# Allegro board IMC-IO_A-IN_A1.brd (continued)
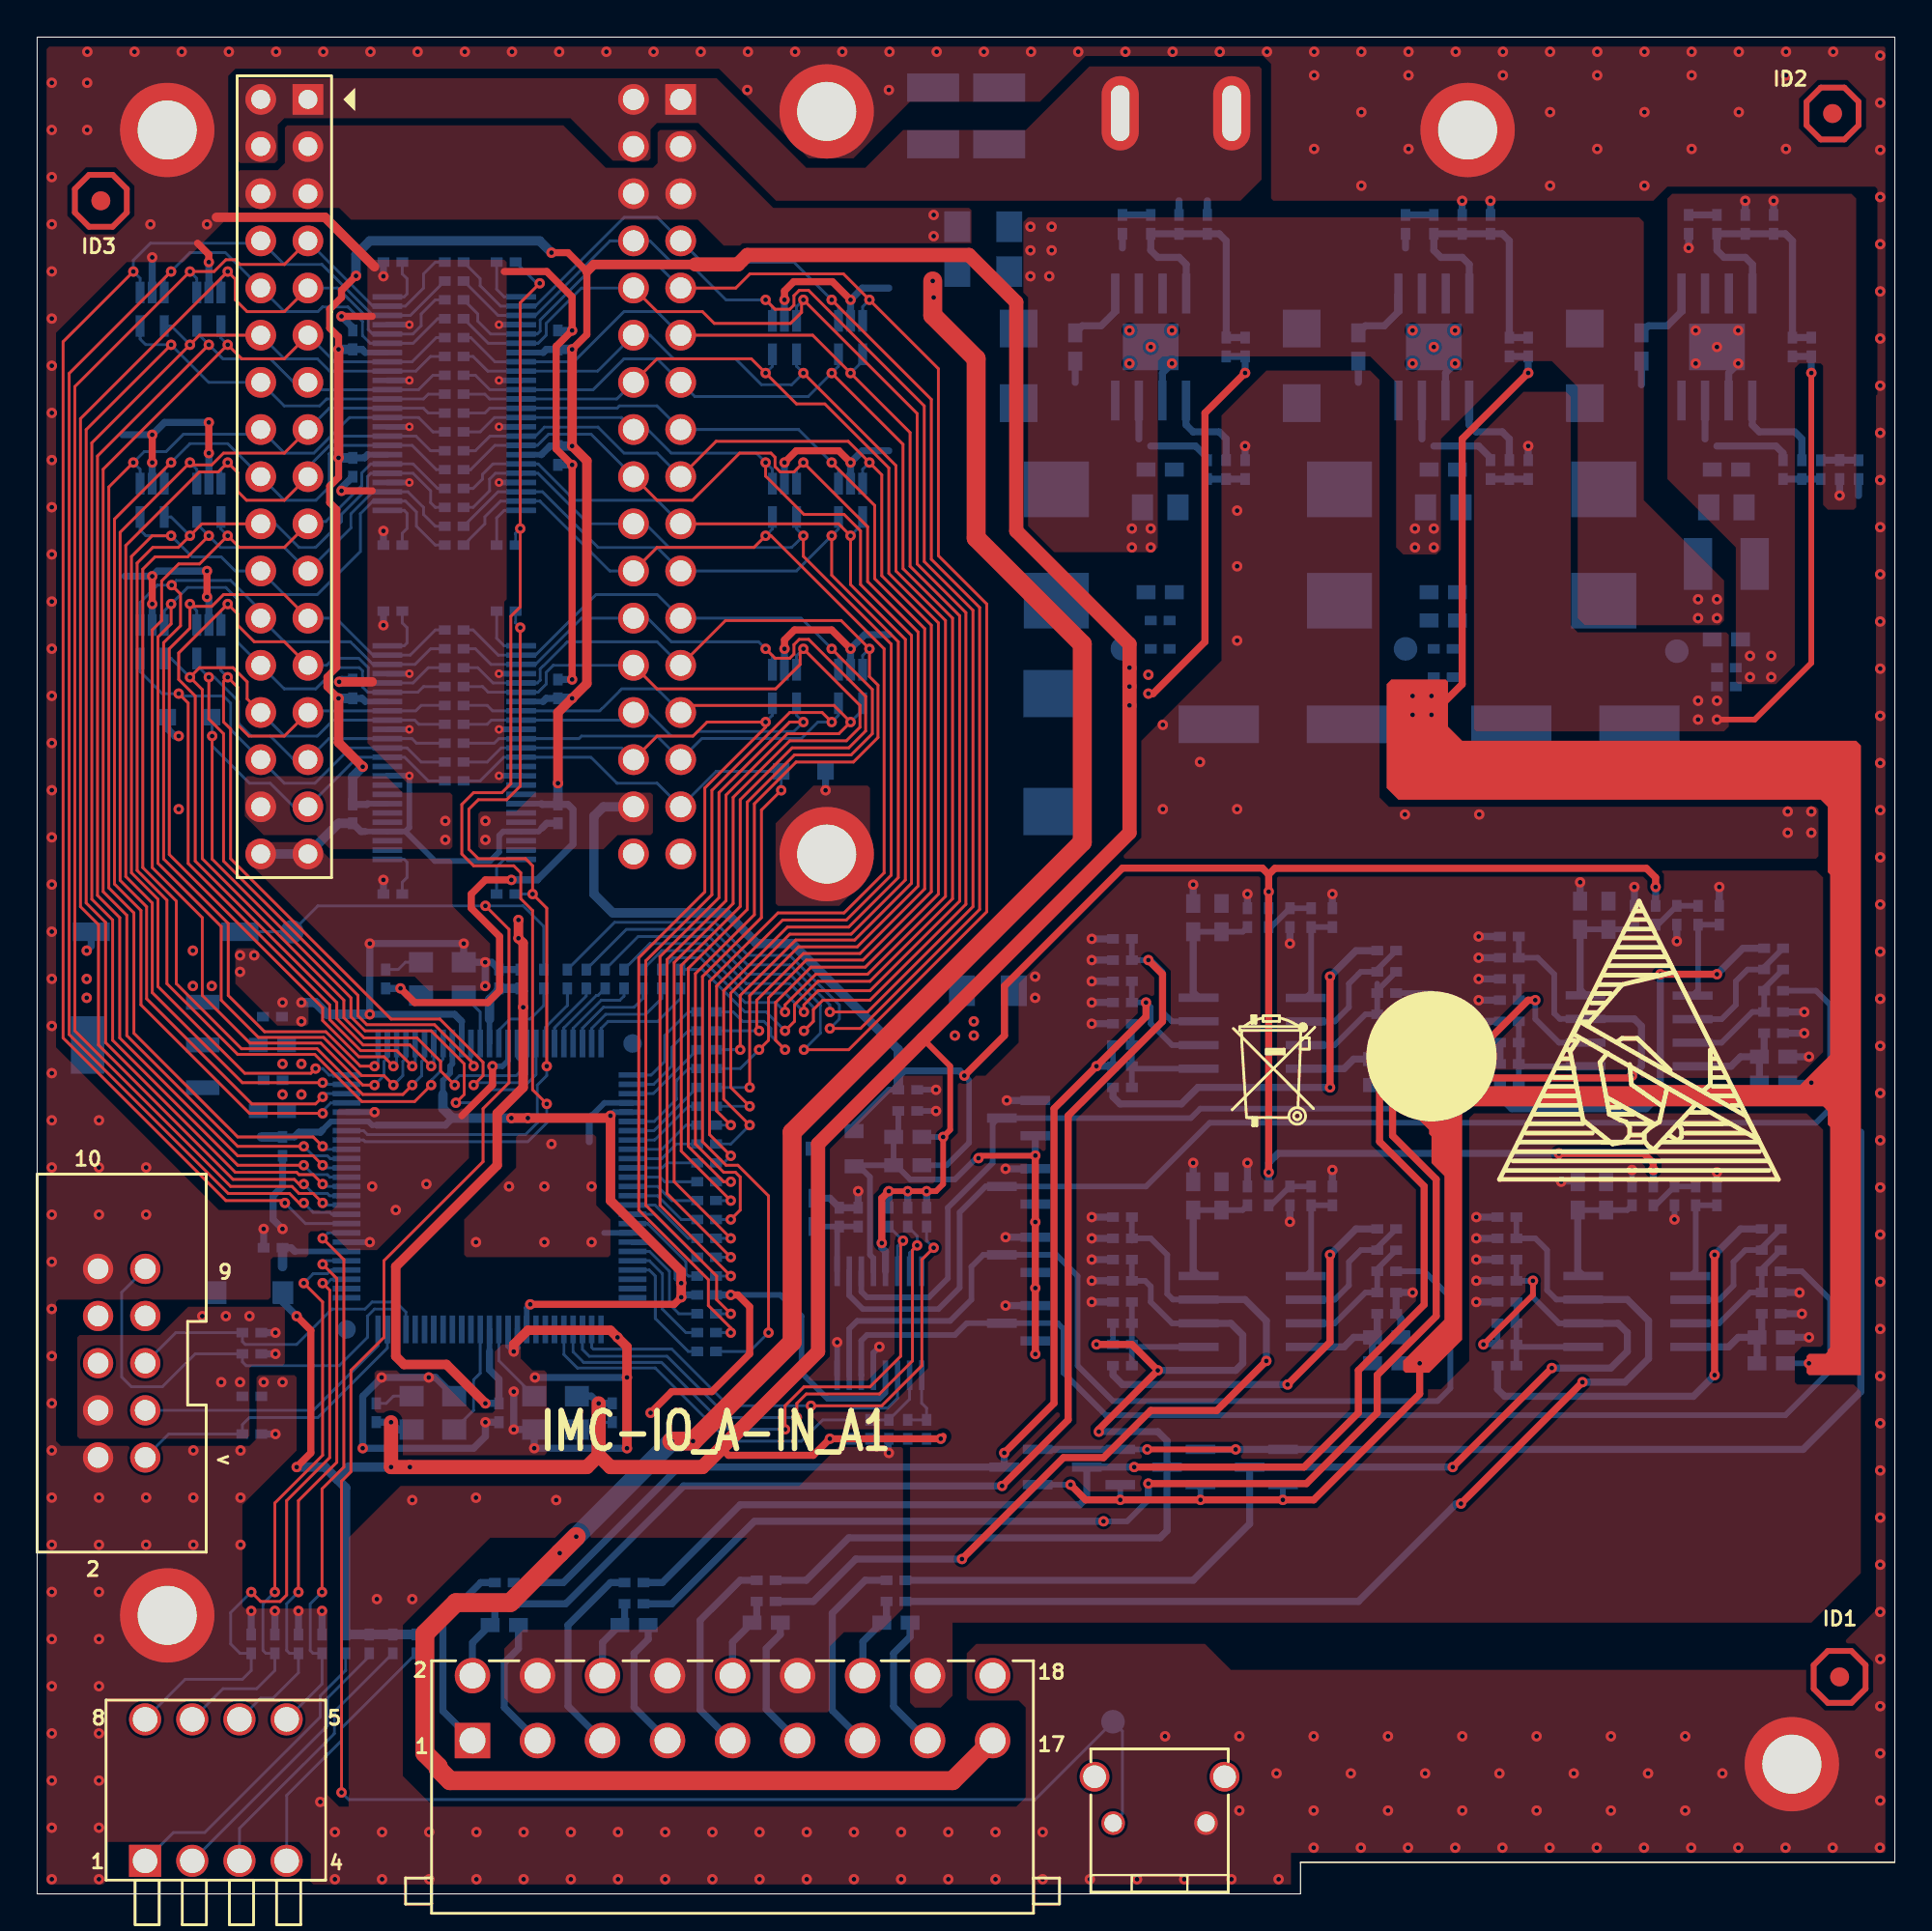
[diagram p0: board, top side]
## Routing (per net, layer and track width the routed paths; a pad name or vN(x,y) marks a point on that pad's centre or on a via; arc(x,y) is an arc through that point) (continued)
VDD_24V:
  vias: v1(48.26,90.42) v1(48.26,89.28)
VDD_24V_IO: length 134.2
  TOP w1.016: v1(48.21,86.87) 48.21,85.01 50.55,82.68 50.55,73.03 56.26,67.31 56.26,56.64 40.64,41.02 40.64,29.72 v1(35.31,24.38) v1(34.16,24.38) ; J2.17 49.27,6.1 22.23,6.1 21.59,6.73 21.59,6.86 20.87,7.58 20.87,14.01 22.54,15.68 25.46,15.68 v1(28.13,18.35) v1(29.02,19.24)
  BOTTOM w1.016: v1(28.13,18.35) v1(29.02,19.24) v1(34.16,24.38) v1(35.31,24.38)
  vias: v1(48.26,85.98)
VDD_24V_MAIN: length 17.2
  BOTTOM w0.381: R2.1 62.99,77.34 62.36,77.98 59.94,77.98 ; R160.1 78.23,77.34 77.6,77.98 75.18,77.98 ; R166.1 93.98,77.6 93.6,77.98 90.42,77.98 ; U1.7 59.3,78.36 ; U22.7 74.54,78.36 ; U24.7 89.78,78.36
  vias: v1(53.47,89.79) v1(53.47,88.52) v1(53.47,87.12) v1(54.48,87.12) v1(54.61,89.79) v1(54.61,88.52) v1(58.93,73.53) v1(58.93,72.52) v1(59.94,73.53) v1(59.94,72.52) v1(74.17,73.53) v1(74.17,72.52) v1(75.18,73.53) v1(75.18,72.52) v1(89.41,69.72) v1(89.41,68.71) v1(90.42,69.72) v1(90.42,68.71)
VDD_+15V: length 55
  TOP w0.381: v1(75.06,63.5) 76.71,65.15 76.71,78.36 v1(80.26,81.92) ; v1(74.42,28.57) 74.42,26.92 68.72,21.22 v1(67.06,21.22) v1(62.62,21.22) v1(58.3,21.22) 56.44,21.22 v1(55.63,22.04)
  BOTTOM w0.305: v1(74.68,43.05) 74.68,43.26 74.37,43.56 FB4.2 ; v1(58.3,21.22) D25.2 ; FB8.2 v1(74.42,28.57) ; v1(67.06,21.22) 67.06,22.03 D29.2 ; D27.2 v1(62.62,21.22) ; FB6.2 v1(95.5,43.69) ; D23.2 v1(55.63,22.04) ; FB10.2 v1(95.38,28.57)
  BOTTOM w0.381: v1(80.26,81.92) R161.1 C66.1
  vias: v1(74.04,64.52) v1(74.04,63.5) v1(75.06,64.52)
VDD_-15V: length 66.8
  TOP w0.305: v1(64.52,23.94) v1(59.76,23.94)
  BOTTOM w0.305: v1(59.76,23.94) D25.1
  BOTTOM w0.381: v1(91.57,82.42) 91.05,81.91 U24.6 ; D27.1 v1(64.52,23.94) D29.1 95.06,23.94 98.17,27.05 98.17,41.02 ; R172.2 v1(97.03,75.31) ; C77.2 v1(91.95,91.19) ; R168.2 v1(93.47,91.19) ; R169.2 v1(88.9,88.65) ; D23.1 D25.1
  vias: v1(89.28,84.2) v1(89.28,82.42) v1(90.42,83.31) v1(91.57,84.2) v1(92.2,66.67) v1(92.2,65.53) v1(93.34,66.67) v1(93.34,65.53)
VIN0+: length 10.8
  BOTTOM w0.381: J2.1 21.84,9.84 21.84,14.73 23.88,16.76 R212.2
VIN1+: length 11
  BOTTOM w0.381: J2.5 28.57,10.11 28.57,14.48 30.86,16.76 R226.2
VIN2+: length 11.2
  BOTTOM w0.381: R240.2 37.85,16.89 35.69,14.73 35.69,9.91 37.34,8.26 J2.9
VIN3+: length 11.2
  BOTTOM w0.381: J2.13 42.8,9.89 42.8,15.11 44.58,16.89 R254.2
1DIR: length 65
  TOP w0.152: v1(27.43,42.55) 26.67,43.31 26.67,52.96 26.04,53.59 26.04,54.99 25.65,55.37 23.5,55.37 22.86,56.01 22.86,58.67 23.5,59.31 25.02,59.31 25.5,59.79 25.5,68.8 26.01,69.31 v1(26.01,73.53) 26.01,85.7 v1(27.05,86.74)
  BOTTOM w0.152: v1(27.05,86.74) 26.89,86.74 R145.1 ; v1(26.01,73.53) 25.75,73.28 R147.1 ; v1(27.43,42.55) 27.43,41.53 26.42,40.51 17.65,40.51 17.57,40.6 P1.43
2DIR: length 44.7
  TOP w0.152: v1(26.01,68.2) 26.01,59.66 25.27,58.93 23.75,58.93 23.24,58.42 23.24,56.26 23.75,55.75 26.29,55.75 26.67,55.37 v1(26.67,53.85) 27.43,53.09 v1(27.43,44.58)
  BOTTOM w0.152: v1(27.43,44.58) 27.43,44.07 26.92,43.56 26.92,41.53 26.29,40.89 17.78,40.89 17.57,41.1 P1.44 ; R140.1 25.75,68.45 v1(26.01,68.2) ; R148.1 v1(26.67,53.85)
12MHZ: length 4.4
  BOTTOM w0.152: P1.12 24.85,28.71 OSC1.3
25MHZ: length 6
  BOTTOM w0.152: OSC2.3 23.5,26.05 23.5,27.69 23.85,28.04 P1.14
48MHZ: length 2.9
  BOTTOM w0.152: OSC3.3 23.85,47.49 P1.62
ADC_DRDY: length 32.1
  TOP w0.152: v1(46.61,35.18) 46.48,35.05 46.48,28.96 44.83,27.3 41.27,27.3 40.26,26.29 v1(40.26,25.02)
  BOTTOM w0.152: R204.2 v1(46.61,35.18) 46.31,34.88 U26.14 ; P1.4 28.85,29.19 29.41,28.63 33.6,28.63 37.21,25.02 v1(40.26,25.02)
ADC_RST: length 23.7
  BOTTOM w0.152: U26.3 46.31,26.7 45.78,26.16 43.97,26.16 43.81,26.01 43.81,25.53 42.29,25.53 41.15,24.38 37.21,24.38 33.27,28.32 29.08,28.32 28.35,29.05 P1.5
ADC_SCL: length 30.4
  TOP w0.152: v1(41.66,26.29) 45.47,26.29 47.62,28.45 47.62,34.16 v1(48.26,34.8)
  BOTTOM w0.152: P1.2 29.84,30.39 29.84,29.44 29.95,29.34 34.16,29.34 37.21,26.29 v1(41.66,26.29) ; R201.2 47.88,35.18 v1(48.26,34.8) 47.61,34.15 U26.16
ADC_SDA: length 31.2
  TOP w0.152: v1(40.89,25.65) 40.89,26.42 41.4,26.92 45.34,26.92 47.12,28.7 47.12,34.67 v1(47.37,34.92)
  BOTTOM w0.152: v1(40.89,25.65) 37.21,25.65 33.91,28.96 29.72,28.96 29.35,29.32 P1.3 ; R202.2 47.37,35.43 v1(47.37,34.92) 46.96,34.52 U26.15
AIN0: length 48.3
  BOTTOM w0.305: U26.11 44.36,32.44 44.67,32.13 48.01,32.13 49.02,33.15 49.02,36.96 51.44,39.37 51.44,41.48 51.74,41.78 D24.3 62.1,41.78 62.61,42.29 75.13,42.29 75.69,42.85 75.69,47.88 75.06,48.51 R216.1
AIN1: length 69.7
  BOTTOM w0.305: R230.1 95.76,48.64 96.52,47.88 96.52,42.29 95.76,41.53 63.12,41.53 59.69,38.1 D26.3 51.05,38.1 49.66,36.7 49.66,32.64 48.51,31.5 44.45,31.5 43.71,32.23 U26.10
AIN2: length 52.3
  BOTTOM w0.305: R244.1 74.68,33.53 76.07,32.13 76.07,27.23 75.39,26.54 57.91,26.54 56.01,28.45 56.01,33.27 54.86,34.42 D28.3 50.93,34.42 50.29,33.78 50.29,32 49.15,30.86 44.15,30.86 43.71,30.43 U26.7
AIN3: length 66
  BOTTOM w0.305: U26.6 44.36,27.94 44.36,29.79 44.67,30.1 49.4,30.1 50.04,30.73 D30.3 54.94,30.73 55.24,30.43 55.24,28.07 57.53,25.78 94.11,25.78 96.52,28.19 96.52,32 95,33.53 R258.1
DEV_ADD0: length 33.8
  TOP w0.152: v1(15.37,32.89) 15.75,32.51 15.75,23.5 13.43,21.18 13.43,16.1 13.08,15.75 12.03,15.75 v1(11.52,16.26)
  BOTTOM w0.152: SW2.8 7.97,11.56 11.05,11.56 11.52,12.03 R45.1 10.92,12.95 10.41,13.46 10.41,15.15 v1(11.52,16.26) ; v1(15.37,32.89) 15.62,32.89 15.83,33.1 P1.28
DEV_ADD1: length 31.3
  TOP w0.152: v1(12.79,16.26) 12.79,21.05 15.37,23.62 15.37,31.88 v1(14.35,32.89)
  BOTTOM w0.152: v1(12.79,16.26) 12.16,15.62 12.16,13.11 12.31,12.95 R44.1 12.79,12.03 11.81,11.05 10,11.05 SW2.7 ; v1(14.35,32.89) 14.86,33.4 15.62,33.4 15.82,33.6 P1.29
DEV_ADD2: length 29.6
  TOP w0.152: v1(14.06,16.26) 14.06,21.18 16.13,23.24 16.13,33.15 v1(15.37,33.91)
  BOTTOM w0.152: v1(14.06,16.26) 13.43,15.62 13.43,13.11 13.59,12.95 R43.1 14.06,11.91 12.7,10.54 12.03,10.54 SW2.6 ; v1(15.37,33.91) 15.56,34.1 P1.30
DEV_ADD3: length 29.9
  TOP w0.152: v1(15.37,35.31) 16.51,34.16 16.51,22.99 15.33,21.81 v1(15.33,16.26)
  BOTTOM w0.152: P1.33 15.66,35.6 v1(15.37,35.31) ; SW2.5 15.33,11.3 R42.1 14.85,12.95 14.7,13.11 14.7,15.62 v1(15.33,16.26)
EX_ADD0: length 63.5
  TOP w0.152: J4.26 33.37,64.9 39.75,64.9 41.07,66.22 41.07,66.88 v1(41.25,67.06) 44.29,64.01 44.29,62.84 43.56,62.1 40.51,62.1 37.47,59.05 37.47,53.34 34.29,50.16 34.29,38.35 v1(37.34,35.31)
  BOTTOM w0.152: U20.3 40.88,66.69 v1(41.25,67.06) ; R20.2 v1(37.34,35.31) ; R153.2 23.97,65.02 24.28,64.72 U8.6 26.97,64.72 27.4,65.15 27.4,65.79 27.78,66.17 J4.26
EX_ADD1: length 60.5
  TOP w0.152: v1(37.34,34.29) 33.91,37.72 33.91,50.32 37.08,53.49 37.08,59.18 40.39,62.48 43.16,62.48 v1(43.79,63.11) 42.89,64.01 35.02,64.01 34.64,63.63
  BOTTOM w0.152: 34.64,63.63 33.37,64.9 31.46,64.9 30.28,63.72 U8.8 24.52,63.72 24.23,64.01 R154.2 ; v1(43.79,63.11) 44.44,63.76 U19.4 ; R22.2 v1(37.34,34.29)
EX_ADD2: length 56.4
  TOP w0.152: v1(41.25,63.11) 40.51,63.11 36.7,59.31 36.7,53.65 33.53,50.48 33.53,37.08 v1(37.34,33.27)
  BOTTOM w0.152: R24.2 v1(37.34,33.27) ; U20.4 40.88,63.48 v1(41.25,63.11) 40.74,62.6 35.55,62.6 35.31,62.36 34.13,62.36 32.86,63.63 32.1,63.63 31.69,63.22 U8.9 24.45,63.22 24.23,62.99 R155.2
EX_ADD3: length 63.3
  TOP w0.152: v1(42.77,63.11) 42.25,63.63 40.51,63.63 36.32,59.44 36.32,53.81 32.77,50.25 32.77,37.08 36.58,33.27 36.58,32 v1(37.34,31.24)
  BOTTOM w0.152: U19.5 43.14,63.48 v1(42.77,63.11) 42.03,63.11 41.15,62.23 35.78,62.23 34.64,61.09 33.37,62.36 29.3,62.36 29.16,62.22 U8.11 24.85,62.22 24.61,61.97 R156.2 ; R26.2 v1(37.34,31.24)
EX_ADD4: length 57.4
  TOP w0.152: v1(37.34,30.23) 37.34,30.48 36.13,31.69 36.13,33.08 32.38,36.83 32.38,50.41 35.94,53.97 35.94,59.56 39.21,62.84 v1(39.21,63.11) 36.06,63.11 35.31,62.36 33.37,62.36 32.1,61.09
  BOTTOM w0.152: R28.2 v1(37.34,30.23) ; R157.2 24.23,60.96 24.99,61.72 U8.12 31.47,61.72 32.1,61.09 ; U20.5 39.58,63.48 v1(39.21,63.11)
EX_ADD5: length 56.6
  TOP w0.152: v1(39.37,30.23) 39.37,37.59 37.72,39.24 37.08,39.24 35.81,40.51 35.81,49.4 38.99,52.58 38.99,58.37 v1(40.05,59.44)
  BOTTOM w0.152: v1(40.05,59.44) D19.1 36.55,60.45 J4.31 33.37,59.82 31.21,59.82 29.81,61.22 U8.13 25.12,61.22 23.85,59.94 R158.2 ; v1(39.37,30.23) 38.35,29.21 R30.2
EX_CS: length 61.7
  TOP w0.152: v1(37.34,38.35) 36.96,38.35 35.05,40.26 35.05,49.85 38.23,53.02 38.23,58.8 40.77,61.34 43.81,61.34 44.96,62.48 44.96,64.87 v1(42.77,67.06)
  BOTTOM w0.152: R17.2 v1(37.34,38.35) ; R150.2 23.47,68.07 24.82,66.72 U8.2 26.82,66.72 30.08,69.98 33.37,69.98 J4.23 41.12,68.71 v1(42.77,67.06) 43.14,66.69 U19.1
EX_DATA0: length 92
  TOP w0.152: v1(42.67,46.61) 44.32,46.61 50.73,53.02 50.73,69.28 48.13,71.88 48.13,80.49 v1(42.77,85.85)
  BOTTOM w0.152: R21.2 31.08,52.32 36.49,52.32 38.26,50.55 40.51,50.55 43.18,47.88 43.18,47.12 v1(42.67,46.61) ; U11.1 43.14,85.49 v1(42.77,85.85) 40.74,87.88 35.78,87.88 J4.7 33.37,90.3 31.61,90.3 26.82,85.51 U7.2 24.95,85.51 23.85,86.61 23.85,86.99 R126.2
EX_DATA1: length 87.5
  TOP w0.152: v1(42.67,47.5) 44.7,47.5 50.38,53.17 50.38,69.13 47.75,71.75 47.75,80.14 41.53,86.36 41.02,86.36 40.74,86.08 40.74,85.57 40.51,85.34 39.72,85.34 v1(39.21,85.85)
  BOTTOM w0.152: R23.2 31.72,51.94 36.33,51.94 38.23,50.04 40.51,50.04 42.67,47.88 v1(42.67,47.5) ; U12.1 39.58,85.49 v1(39.21,85.85) 37.08,85.85 35.18,87.76 34.26,87.76 32.99,89.03 J4.8 30.84,89.03 26.82,85.01 U7.3 24.81,85.01 R127.2
EX_DATA2: length 92.6
  TOP w0.152: v1(41.27,45.47) 43.69,45.47 51.12,52.89 51.12,69.47 48.51,72.07 48.51,82.14 v1(44.8,85.85) 43.4,87.25 38.37,87.25 37.61,86.49 J4.9
  BOTTOM w0.152: R128.2 23.72,85.09 23.72,84.71 24.41,84.01 U7.5 26.93,84.01 27.08,84.17 27.08,84.77 30.07,87.76 33.37,87.76 J4.9 ; R25.2 32.35,51.56 36.17,51.56 38.2,49.53 40.51,49.53 42.16,47.88 42.16,46.35 v1(41.27,45.47) ; v1(44.8,85.85) 44.44,85.49 U11.3
EX_DATA3: length 85.1
  TOP w0.152: v1(41.27,46.48) 41.78,46.99 41.78,47.62 42.29,48.13 44.83,48.13 49.99,53.3 49.99,69 47.37,71.63 47.37,79.73 v1(41.25,85.85) 41.15,85.75 41.15,85.18 40.55,84.58 36.45,84.58 35.81,85.22 33.37,85.22 J4.10
  BOTTOM w0.152: U12.3 40.88,85.49 v1(41.25,85.85) ; R27.2 32.99,51.18 36.01,51.18 38.17,49.02 40.51,49.02 41.78,47.75 41.78,46.99 v1(41.27,46.48) ; R129.2 24.28,83.51 U7.6 26.97,83.51 27.4,83.95 27.4,84.58 29.3,86.49 J4.10
EX_DATA4: length 77.5
  TOP w0.152: v1(41.27,47.5) 41.27,47.88 42.04,48.64 44.83,48.64 49.66,53.47 49.66,68.83 46.99,71.5 46.99,78.7 v1(43.79,81.91) 41.75,83.95 J4.11
  BOTTOM w0.152: R29.2 33.62,50.8 35.85,50.8 38.14,48.51 40.26,48.51 v1(41.27,47.5) ; J4.11 33.37,85.22 31.59,85.22 28.89,82.51 U7.8 24.64,82.51 23.34,83.82 R130.2 ; U11.4 44.44,82.56 v1(43.79,81.91)
EX_DATA5: length 72.8
  TOP w0.152: v1(41.25,81.91) 46.23,76.93 46.23,71.25 48.9,68.58 48.9,53.72 44.7,49.53 41.91,49.53 40.26,47.88 v1(40.26,47.5)
  BOTTOM w0.152: R131.2 23.47,82.8 24.26,82.01 U7.9 30.17,82.01 J4.12 32.99,83.95 34.26,82.68 37.59,82.68 38.99,81.28 40.62,81.28 v1(41.25,81.91) 40.88,82.27 U12.4 ; v1(40.26,47.5) 39.75,48.01 38.11,48.01 35.7,50.42 34.26,50.42 R31.2
EX_DATA6: length 73.8
  TOP w0.152: v1(42.77,81.91) 46.61,78.07 46.61,71.37 49.28,68.71 49.28,53.59 44.83,49.15 42.04,49.15 40.77,47.88 40.77,46.99 v1(40.26,46.48)
  BOTTOM w0.152: R32.2 35.81,49.78 38.1,47.5 39.24,47.5 v1(40.26,46.48) ; R132.2 23.59,81.79 24.37,81.01 U7.11 29.93,81.01 31.59,82.68 33.37,82.68 J4.13 35.4,80.64 41.51,80.64 v1(42.77,81.91) 43.14,82.27 U11.5
EX_DATA7: length 70.3
  TOP w0.152: v1(40.26,45.47) 39.75,45.97 39.75,48.01 41.66,49.91 44.58,49.91 48.51,53.85 48.51,68.45 45.85,71.12 45.85,76.8 42.4,80.25 40.88,80.25 v1(39.21,81.91) 38.44,82.68 33.37,82.68 J4.14
  BOTTOM w0.152: U12.5 39.58,82.27 v1(39.21,81.91) ; J4.14 31.21,80.51 U7.12 24.36,80.51 24.1,80.77 R133.2 ; v1(40.26,45.47) 39.5,46.23 39.5,46.61 39.12,46.99 37.97,46.99 37.47,47.5 R33.2
EX_DATA8: length 63.1
  TOP w0.152: v1(42.77,77.09) 45.09,74.77 45.09,70.84 47.78,68.14 47.78,54.13 44.3,50.65 41.25,50.65 38.73,48.13 38.73,46.61 v1(38.86,46.48)
  BOTTOM w0.152: U15.1 43.14,76.72 v1(42.77,77.09) 40.99,78.87 J4.15 33.37,80.14 31.34,80.14 31.21,80.01 U7.13 24.36,80.01 24.1,79.75 R135.2 ; R34.2 v1(38.86,46.48)
EX_DATA9: length 62
  TOP w0.152: v1(39.21,77.09) 39.21,76.36 41.27,74.3 43.43,74.3 44.32,73.41 44.32,70.52 47.07,67.78 47.07,54.43 44.01,51.37 40.83,51.37 37.85,48.39 v1(37.85,45.47)
  BOTTOM w0.152: R136.2 23.85,78.74 24.62,79.51 U7.14 31.46,79.51 J4.16 32.86,78.87 34.13,77.6 38.71,77.6 v1(39.21,77.09) 39.58,76.72 U16.1 ; R10.2 v1(37.85,45.47)
EX_DATA10: length 67.4
  TOP w0.152: v1(38.86,45.47) 39.37,45.97 39.37,48.26 41.4,50.29 44.45,50.29 48.13,53.98 48.13,68.33 45.47,70.99 45.47,76.42 v1(44.8,77.09) 43.66,78.23 36.55,78.23 J4.17
  BOTTOM w0.152: v1(44.8,77.09) 44.44,76.72 U15.3 ; v1(38.86,45.47) 37.85,44.45 R11.2 ; R138.2 23.59,77.72 24.38,78.51 U7.16 26.82,78.51 27.3,78.99 30.19,78.99 31.59,77.6 33.37,77.6 J4.17
EX_DATA11: length 67.4
  TOP w0.152: v1(38.35,43.43) 38.35,48.38 40.98,51 44.15,51 47.42,54.28 47.42,67.96 44.7,70.68 44.7,73.63 v1(41.25,77.09) 40.74,76.58 40.01,76.58 39.72,76.86 39.72,77.37 39.5,77.6 37.82,77.6 35.28,75.06 33.37,75.06 J4.18
  BOTTOM w0.152: R12.2 v1(38.35,43.43) ; U16.3 40.88,76.72 v1(41.25,77.09) ; R142.2 23.33,76.71 24.64,78.01 U7.17 26.93,78.01 27.53,78.61 29.82,78.61 J4.18
EX_DATA12: length 64.4
  TOP w0.152: 34.64,73.79 43.14,73.79 v1(43.79,73.14) 43.79,70.51 46.74,67.56 46.74,54.61 43.81,51.69 40.51,51.69 37.34,48.51 37.34,43.43 v1(38.35,42.42)
  BOTTOM w0.152: v1(38.35,42.42) R13.2 ; U15.4 44.44,73.79 v1(43.79,73.14) ; R143.2 23.47,75.69 23.97,76.2 23.97,76.45 24.53,77.01 U7.19 26.97,77.01 28.92,75.06 33.37,75.06 34.64,73.79
EX_DATA13: length 63.2
  TOP w0.152: v1(37.34,41.4) 36.58,42.16 36.58,48.9 40.13,52.45 43.56,52.45 45.97,54.86 45.97,67.31 41.25,72.04 v1(41.25,73.14)
  BOTTOM w0.152: U16.4 40.88,73.51 v1(41.25,73.14) 40.62,72.52 34.01,72.52 32.74,73.79 29.69,73.79 26.96,76.51 U7.20 24.67,76.51 24.35,76.2 24.35,75.56 23.47,74.67 R144.2 ; R14.2 v1(37.34,41.4)
EX_DATA14: length 66.2
  TOP w0.152: v1(42.77,73.14) 42.77,71.02 46.35,67.44 46.35,54.74 43.69,52.07 40.39,52.07 36.96,48.64 36.96,42.8 v1(38.35,41.4)
  BOTTOM w0.152: v1(38.35,41.4) 37.34,40.39 R15.2 ; R146.2 24.81,75.51 U7.22 27.2,75.51 30.19,72.52 33.37,72.52 J4.21 40.87,71.25 v1(42.77,73.14) 43.14,73.51 U15.5
EX_DATA15: length 64.6
  TOP w0.152: v1(37.34,39.75) 36.2,40.89 36.2,49.15 39.88,52.83 43.43,52.83 45.59,54.99 45.59,67.06 39.5,73.14 v1(39.21,73.14) 38.59,72.52 33.37,72.52 J4.22
  BOTTOM w0.152: U16.5 39.58,73.51 v1(39.21,73.14) ; J4.22 30.83,71.25 27.06,75.01 U7.23 24.95,75.01 24.1,74.16 24.1,73.78 R149.2 ; R16.2 36.96,39.37 v1(37.34,39.75)
EX_RD: length 62.1
  TOP w0.152: v1(39.21,67.06) 39.72,66.55 40.51,66.55 40.74,66.77 40.74,67.28 41.02,67.56 41.53,67.56 44.6,64.49 44.6,62.63 43.69,61.72 40.64,61.72 37.85,58.93 37.85,53.18 34.67,50 34.67,40.01 v1(37.34,37.34)
  BOTTOM w0.152: U20.1 39.58,66.69 v1(39.21,67.06) 38.83,67.44 34.13,67.44 32.86,68.71 J4.24 29.31,68.71 26.82,66.22 U8.3 24.43,66.22 23.59,67.05 R151.2 ; R18.2 v1(37.34,37.34)
EX_WR: length 66.1
  TOP w0.152: J4.25 37.05,68.58 43.28,68.58 v1(44.8,67.06) 44.8,65.56 45.26,65.1 45.26,62.28 43.94,60.96 40.86,60.96 38.61,58.71 38.61,52.74 35.43,49.56 35.43,40.39 36.96,38.86 37.59,38.86 37.85,38.61 37.85,36.83 v1(37.34,36.32)
  BOTTOM w0.152: R19.2 v1(37.34,36.32) ; U19.3 44.44,66.69 v1(44.8,67.06) ; J4.25 33.37,67.44 28.54,67.44 27.08,65.97 27.08,65.37 26.93,65.22 U8.5 24.54,65.22 23.72,66.04 R152.2
F_EX_ADD0: length 58.4
  TOP w0.152: v1(19.18,43.56) 18.67,44.07 17.47,44.07 15.42,46.13 11.91,46.13 9.91,48.13 9.91,52.1 6.5,55.51 6.5,67.69 7.21,68.4 v1(7.21,69.47)
  BOTTOM w0.152: R153.1 20.8,65.02 20.49,64.72 U8.43 17.8,64.72 17.52,65 17.52,65.87 17.34,66.04 16.14,66.04 15,64.9 13.31,64.9 J3.26 10.79,67.41 10.79,69.72 10.16,70.36 8.1,70.36 v1(7.21,69.47) 6.84,69.1 U18.3 ; v1(19.18,43.56) 19.68,44.07 19.68,44.83 19.85,45 P1.54
F_EX_ADD1: length 50.4
  TOP w0.152: J3.27 13.31,62.36 11.4,62.36 10.79,62.96 10.79,64.99 v1(10.26,65.52) 10.03,65.3 10.03,63.12 10.41,62.74 10.41,55.75 19.05,47.12 21.67,47.12 24,44.79 24,44.07 v1(23.5,43.56)
  BOTTOM w0.152: P1.67 26.35,44.13 25.91,43.69 23.62,43.69 v1(23.5,43.56) ; v1(10.26,65.52) 9.89,65.89 U17.4 ; J3.27 14.67,63.72 U8.41 20.38,63.72 20.67,64.01 R154.1
F_EX_ADD2: length 53.4
  TOP w0.152: v1(22.48,43.56) 21.72,44.32 21.72,44.83 20.45,46.1 17.6,46.1 16.51,47.19 16.51,48.13 8.89,55.75 8.89,64.86 v1(8.23,65.52) 8.74,66.04 10.54,66.04 11.3,65.28 11.3,64.36 J3.28
  BOTTOM w0.152: U18.4 7.21,66.54 v1(8.23,65.52) ; v1(22.48,43.56) 22.48,43.81 22.73,44.07 25.78,44.07 26.04,44.32 26.04,44.83 25.85,45.01 P1.66 ; J3.28 13.31,62.36 15.08,62.36 15.94,63.22 U8.40 20.32,63.22 20.54,62.99 R155.1
F_EX_ADD3: length 47.3
  TOP w0.152: v1(9.24,65.52) 9.24,63.28 10.03,62.48 10.03,55.63 17.27,48.39 17.27,47.29 17.75,46.81 21.39,46.81 23.5,44.7 v1(23.5,44.58)
  BOTTOM w0.152: U17.5 8.59,66.17 v1(9.24,65.52) 9.54,65.52 10.84,64.22 10.84,63.04 11.53,62.36 12.54,62.36 13.81,61.09 J3.29 15.71,62.22 U8.38 20.18,62.22 20.42,61.97 R156.1 ; P1.61 23.35,44.72 v1(23.5,44.58)
F_EX_ADD4: length 49.2
  TOP w0.152: v1(7.62,64.64) 8.13,64.14 8.13,55.5 15.75,47.88 15.75,47.09 17.42,45.42 19.35,45.42 v1(20.19,44.58)
  BOTTOM w0.152: v1(20.19,44.58) 20.35,44.74 P1.55 ; U18.5 5.54,65.83 6.73,64.64 v1(7.62,64.64) 7.75,64.52 10.03,64.52 10.41,64.14 10.41,62.71 J3.30 13.31,59.82 14.95,59.82 16.85,61.72 U8.37 19.91,61.72 20.67,60.96 R157.1
F_EX_ADD5: length 51.3
  TOP w0.152: v1(22.54,42.61) 22.99,43.05 22.99,44.7 21.21,46.48 17.65,46.48 16.89,47.24 16.89,48.26 9.42,55.73 v1(9.42,62.36)
  BOTTOM w0.152: R158.1 21.05,59.94 19.78,61.22 U8.36 17.25,61.22 J3.31 13.81,58.55 12.54,59.82 11.43,59.82 9.42,61.83 v1(9.42,62.36) D18.1 ; P1.68 26.85,44.12 26.04,43.31 24.26,43.31 23.56,42.61 v1(22.54,42.61)
F_EX_CS: length 49.7
  TOP w0.152: v1(19.18,44.58) 18.67,45.09 17.32,45.09 15.37,47.04 15.37,47.72 7.11,55.98 7.11,67.06 8.23,68.17 v1(8.23,69.47) 8.35,69.34 9.4,69.34 10.03,69.98 13.31,69.98 J3.23
  BOTTOM w0.152: J3.23 16.09,68.71 18.08,66.72 U8.47 20.08,66.72 21.43,68.07 R150.1 ; U17.1 8.59,69.1 v1(8.23,69.47) ; P1.53 19.35,44.75 v1(19.18,44.58)
F_EX_DATA0: length 80.8
  TOP w0.152: v1(15.37,37.21) 14.86,37.72 14.1,37.72 13.72,38.1 10.41,38.1 2.03,46.49 2.03,81.18 v1(8.23,87.38) 9.53,87.38 10.16,88.01 10.67,88.01 10.92,87.76 13.31,87.76 J3.7
  BOTTOM w0.152: J3.7 14.58,89.01 18.08,85.51 U7.47 19.83,85.51 20.8,86.49 20.8,87.25 21.43,87.88 R126.1 ; v1(15.37,37.21) 15.48,37.1 P1.36 ; v1(8.23,87.38) 8.59,87.01 U9.1
F_EX_DATA1: length 83.8
  TOP w0.152: v1(13.34,37.21) 13.21,37.34 10.16,37.34 1.4,46.1 1.4,83.6 v1(5.18,87.38)
  BOTTOM w0.152: P1.34 14.45,36.1 v1(13.34,37.21) ; R127.1 20.09,85.01 U7.46 18.08,85.01 15.33,87.76 13.31,87.76 J3.8 11.91,88.9 6.1,88.9 5.18,87.98 v1(5.18,87.38) 5.54,87.01 U10.1
F_EX_DATA2: length 79.6
  TOP w0.152: J3.9 13.31,85.22 11.3,85.22 10.67,85.85 10.67,86.97 v1(10.26,87.38) 2.33,79.45 2.33,53.17 3.3,52.2 3.3,45.72 10.54,38.48 13.84,38.48 14.1,38.23 v1(14.35,38.23)
  BOTTOM w0.152: P1.37 15.74,37.6 15.62,37.72 14.86,37.72 v1(14.35,38.23) ; U9.3 9.89,87.01 v1(10.26,87.38) ; J3.9 16.17,86.49 17.82,84.84 17.82,84.25 18.06,84.01 U7.44 20.23,84.01 20.67,84.45 20.67,85.09 21.43,85.85 R128.1
F_EX_DATA3: length 82
  TOP w0.152: v1(7.21,87.38) 1.72,81.89 1.72,46.28 10.29,37.72 13.59,37.72 14.1,37.21 v1(14.35,37.21)
  BOTTOM w0.152: v1(14.35,37.21) 14.86,36.7 15.76,36.7 15.87,36.6 P1.35 ; R129.1 21.56,84.83 20.24,83.51 U7.43 17.93,83.51 17.52,83.92 17.52,84.69 16.73,85.47 15.37,85.47 15.11,85.22 13.31,85.22 J3.10 10.13,88.39 8.23,88.39 v1(7.21,87.38) 6.84,87.01 U10.3
F_EX_DATA4: length 69.9
  TOP w0.152: J3.11 13.31,82.68 11.01,82.68 v1(10.26,83.43) 3.55,76.73 3.55,53.98 4.83,52.71 4.83,46.23 10.8,40.26 v1(14.35,40.26)
  BOTTOM w0.152: P1.41 15.77,39.6 15.62,39.75 14.86,39.75 v1(14.35,40.26) ; R130.1 21.49,83.82 20.18,82.51 U7.41 16.01,82.51 J3.11 ; v1(10.26,83.43) 9.89,83.8 U9.4
F_EX_DATA5: length 72.6
  TOP w0.152: J3.12 8.74,83.95 v1(8.23,83.43) 2.94,78.15 2.94,53.57 4.06,52.45 4.06,45.97 10.8,39.24 v1(14.35,39.24)
  BOTTOM w0.152: v1(14.35,39.24) 14.86,38.73 15.62,38.73 15.76,38.6 P1.39 ; J3.12 13.31,82.68 15.08,82.68 15.75,82.01 U7.40 20.39,82.01 21.18,82.8 R131.1 ; v1(8.23,83.43) 7.21,84.44 U10.4
F_EX_DATA6: length 70.7
  TOP w0.152: v1(15.37,39.24) 14.86,39.75 10.79,39.75 4.45,46.1 4.45,52.58 3.25,53.78 3.25,77.44 v1(9.24,83.43)
  BOTTOM w0.152: R132.1 21.31,81.79 20.53,81.01 U7.38 14.97,81.01 J3.13 13.81,81.41 12.54,82.68 10,82.68 v1(9.24,83.43) 8.59,84.08 U9.5 ; P1.40 15.51,39.1 v1(15.37,39.24)
F_EX_DATA7: length 74.9
  TOP w0.152: v1(7.21,83.43) 2.64,78.86 2.64,53.37 3.68,52.32 3.68,45.85 10.67,38.86 13.97,38.86 14.1,38.73 14.86,38.73 v1(15.37,38.23)
  BOTTOM w0.152: U10.5 5.54,83.74 5.84,83.44 7.2,83.44 v1(7.21,83.43) 9.23,81.41 J3.14 13.31,80.14 15.21,80.14 15.58,80.51 U7.37 20.79,80.51 21.05,80.77 R133.1 ; v1(15.37,38.23) 15.49,38.1 P1.38
F_EX_DATA8: length 60.8
  TOP w0.152: J3.15 13.31,77.6 10.03,77.6 9.4,76.96 8.35,76.96 v1(8.23,77.09) 4.47,73.33 4.47,54.59 5.89,53.16 5.89,48.21 11.56,42.55 14.99,42.55 v1(15.37,42.93)
  BOTTOM w0.152: U13.1 8.59,76.72 v1(8.23,77.09) ; R135.1 21.05,79.75 20.79,80.01 U7.36 15.72,80.01 J3.15 ; v1(15.37,42.93) 15.37,42.95 15.52,43.1 P1.48
F_EX_DATA9: length 66.3
  TOP w0.152: v1(5.18,77.09) 3.86,75.77 3.86,54.18 5.21,52.83 5.21,46.35 10.79,40.77 14.86,40.77 v1(15.37,40.26)
  BOTTOM w0.152: U14.1 5.54,76.72 v1(5.18,77.09) 5.76,77.68 6.94,77.68 7.87,78.61 11.78,78.61 J3.16 13.31,77.6 14.9,77.6 16.81,79.51 U7.35 20.53,79.51 21.31,78.74 R136.1 ; v1(15.37,40.26) 15.53,40.1 P1.42
F_EX_DATA10: length 61
  TOP w0.152: J3.17 13.31,75.06 11.27,75.06 10.79,75.54 10.79,76.55 v1(10.26,77.09) 9.75,76.58 8.73,76.58 4.77,72.62 4.77,54.79 6.2,53.37 6.2,48.54 11.05,43.69 v1(15.37,43.69)
  BOTTOM w0.152: J3.17 14.58,76.84 16.24,78.51 U7.33 20.39,78.51 21.18,77.72 R138.1 ; v1(15.37,43.69) 15.45,43.6 P1.49 ; U13.3 9.89,76.72 v1(10.26,77.09)
F_EX_DATA11: length 65.4
  TOP w0.152: v1(7.21,77.09) 4.16,74.04 4.16,54.39 5.59,52.96 5.59,47.88 11.43,42.04 v1(15.37,42.04)
  BOTTOM w0.152: v1(15.37,42.04) 15.37,42.16 15.8,42.6 P1.47 ; U14.3 6.84,76.72 v1(7.21,77.09) 8.23,78.11 10.26,78.11 J3.18 13.31,75.06 15,75.06 15.72,75.77 15.72,77.55 16.18,78.01 U7.32 20.18,78.01 21.49,76.71 R142.1
F_EX_DATA12: length 57.9
  TOP w0.152: J3.19 13.31,72.52 10.89,72.52 v1(10.26,73.14) 8.74,71.63 7.62,71.63 6.7,70.71 6.7,68.58 6.2,68.08 6.2,55.27 8.89,52.58 8.89,48.39 11.46,45.82 15.27,45.82 17.53,43.56 v1(18.16,43.56)
  BOTTOM w0.152: v1(10.26,73.14) 9.89,73.51 U13.4 ; v1(18.16,43.56) 18.67,44.07 18.67,44.83 18.85,45.01 P1.52 ; J3.19 14.7,73.91 15.54,73.91 17.47,75.84 17.47,76.52 17.96,77.01 U7.30 20.24,77.01 21.56,75.69 R143.1
F_EX_DATA13: length 66.2
  TOP w0.152: J3.20 8.87,73.79 v1(8.23,73.14) 7.6,72.52 6.22,72.52 5.38,71.67 5.38,55.12 6.99,53.52 6.99,49.02 10.79,45.21 14.94,45.21 17.48,42.67 20.32,42.67 v1(21.21,43.56)
  BOTTOM w0.152: P1.58 21.85,44.97 21.72,44.83 21.72,44.32 21.21,43.81 v1(21.21,43.56) ; R144.1 21.43,74.67 21.18,74.93 21.18,75.56 20.23,76.51 U7.29 17.97,76.51 17.78,76.33 17.78,75.69 16.38,74.3 16.38,73.91 14.99,72.52 14.1,72.52 12.83,73.79 J3.20 ; v1(8.23,73.14) 7.21,74.16 U14.4
F_EX_DATA14: length 63.2
  TOP w0.152: v1(20.19,43.56) 19.68,43.05 17.53,43.05 15.07,45.52 11,45.52 7.49,49.02 7.49,53.47 5.69,55.27 5.69,71.34 6.35,72.01 8.11,72.01 v1(9.24,73.14)
  BOTTOM w0.152: R146.1 21.43,73.66 20.8,74.29 20.8,74.67 19.96,75.51 U7.27 18.08,75.51 16.89,74.33 16.89,73.56 J3.21 13.31,72.52 9.87,72.52 v1(9.24,73.14) 8.59,73.79 U13.5 ; v1(20.19,43.56) 20.7,44.07 20.7,44.83 20.85,44.98 P1.56
F_EX_DATA15: length 61.9
  TOP w0.152: v1(7.21,73.14) 6.19,73.14 5.08,72.03 5.08,55 6.5,53.57 6.5,48.87 11.18,44.2 14.73,44.2 v1(14.99,44.45)
  BOTTOM w0.152: U14.5 5.54,73.45 5.85,73.14 v1(7.21,73.14) 8.35,72.01 9.91,72.01 10.67,71.25 J3.22 13.31,69.98 15.08,69.98 17.4,72.3 17.4,74.34 18.08,75.01 U7.26 19.83,75.01 20.42,74.42 20.42,73.66 21.43,72.64 R149.1 ; v1(14.99,44.45) 15.37,44.45 15.72,44.1 P1.50
F_EX_RD: length 55.4
  TOP w0.152: v1(18.16,44.58) 17.4,44.58 15.54,46.43 12.24,46.43 10.29,48.39 10.29,52.26 6.81,55.74 6.81,67.39 7.72,68.3 7.72,70.01 v1(7.24,70.48)
  BOTTOM w0.152: R151.1 21.18,67.05 20.34,66.22 U8.46 18.08,66.22 16.86,67.44 13.31,67.44 J3.24 12.04,69.12 10.41,70.74 7.49,70.74 v1(7.24,70.48) 6.48,70.48 5.54,69.55 U18.1 ; v1(18.16,44.58) 18.35,44.77 P1.51
F_EX_WR: length 50.5
  TOP w0.152: v1(21.21,44.58) 20.07,45.72 17.55,45.72 16.13,47.14 16.13,48.01 8.51,55.63 8.51,64.52 7.62,65.41 7.62,66.83 v1(10.26,69.47) 10.79,68.93 10.79,68.33 11.68,67.44 13.31,67.44 J3.25